# Altium PCB DCAC_V2c.PcbDoc (part 5 of 7)
Units mm, origin at the board's own origin, x right, y up, seen from the top; angles counter-clockwise.
Board outline 174.4 x 124.43 mm, 4 copper layers (Top Layer, TOP_RTN, BOTT_RTN, Bottom Layer), stack 1.506 mm thick; 694 components, 367 nets, 1780 pads, 720 vias.
Unrouted connection lines stored in the file: 177.
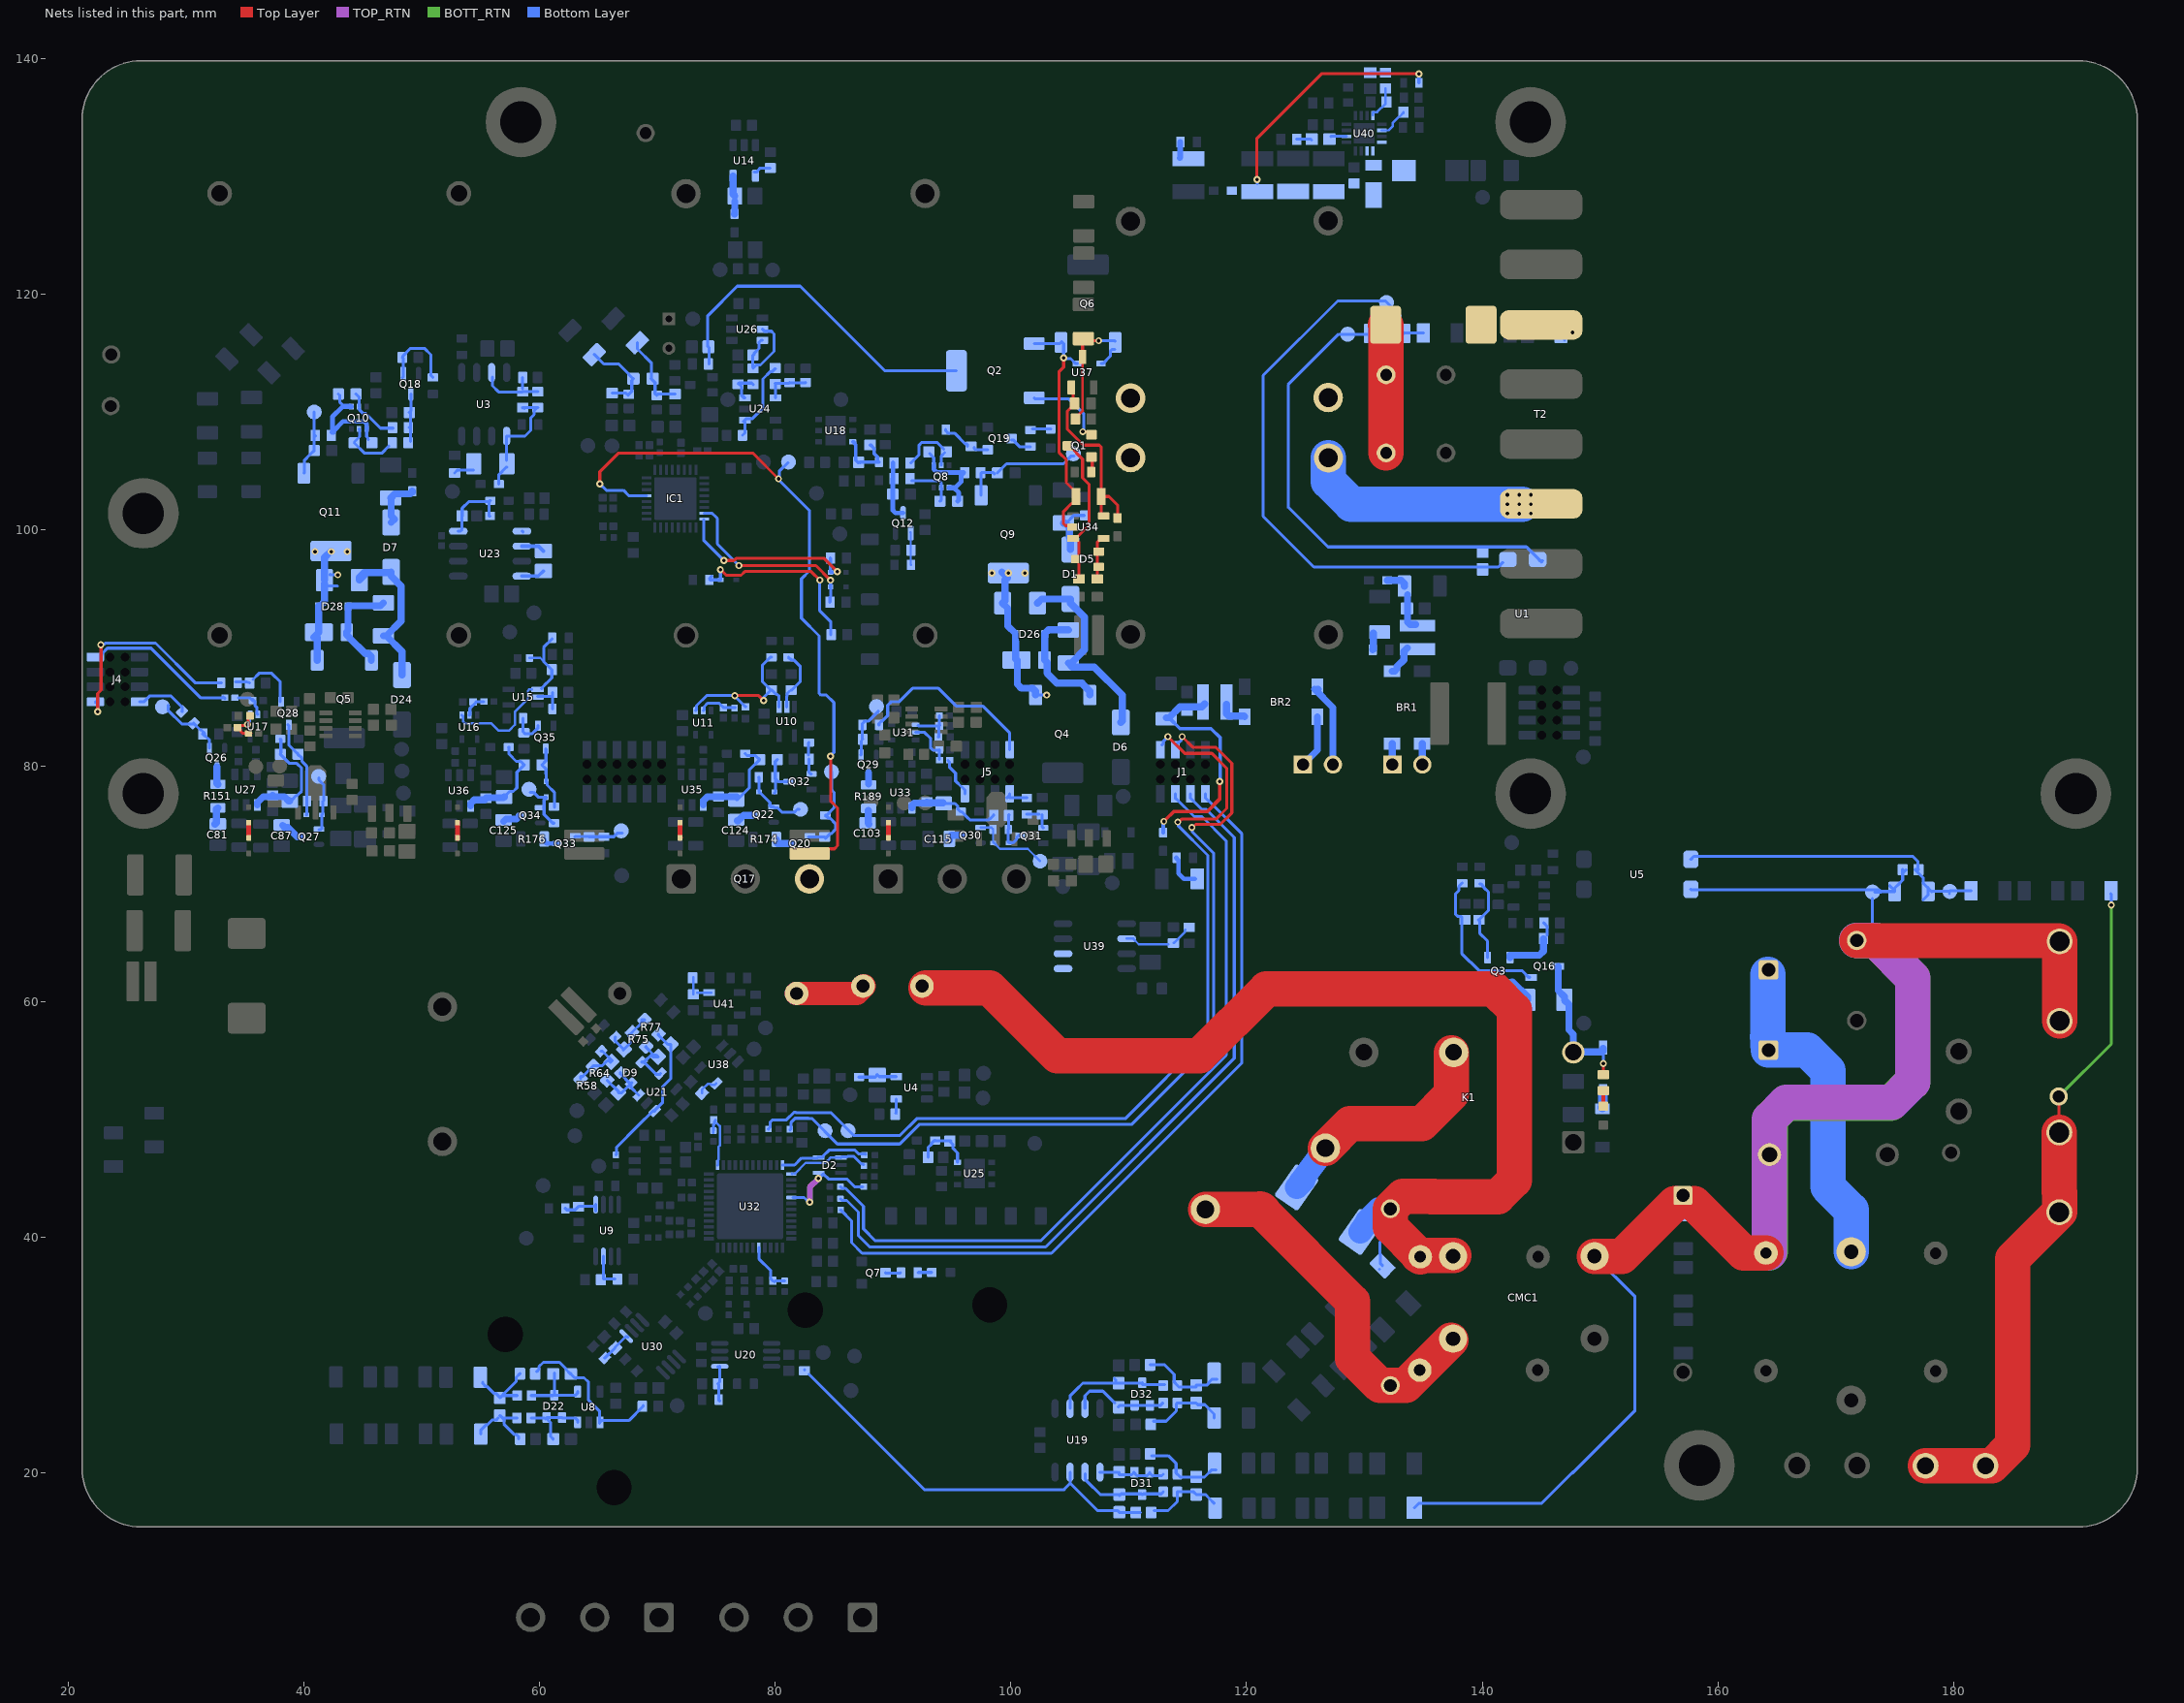
[diagram p7: the nets of this part, all layers, seen from the top]

## Via types
v1: diameter 0.6, hole 0.3, Top Layer to Bottom Layer, tented both sides, 679 vias
v2: diameter 0.6/0.6/0.6/0.6 (per signal layer), hole 0.3, Top Layer to Bottom Layer, tented both sides, 33 vias
v3: diameter 0.6, hole 0.3, Top Layer to Bottom Layer, 8 vias

## Nets (pads, with @x,y where several pads share a name; then routed paths per layer and width w, separated by ;. In a path a pad name is that pad's centre, name@x,y a point inside that pad or via, vN(x,y) a via of type N, cw(c..) or ccw(c..) an arc to the next point about the centre after c; other vN are vias at no path point) (continued)
LF_MOS_COMP3_INP: IC1.5 Q17.3 Rcsn2.2 TP58.1 | length 58.9
  Top Layer w0.254: v1(65.115,103.93) 65.115,104.95 66.708,106.543 78.082,106.543 v1(80.275,104.35) ; Rcsn2.2@84.575,72.95 85.026,72.95 85.285,73.209 85.285,76.43 84.7,77.015 v1(84.7,80.805)
  Bottom Layer w0.254: v1(65.115,103.93) 65.67,103.375 67.115,103.375 67.564,102.925 IC1.5@69.075,102.925 ; TP58.1@81.1,105.7 81.05,105.7 80.341,104.991 80.341,104.416 v1(80.275,104.35) 80.275,104.283 82.9,101.658 82.9,96.53 82.225,95.855 82.225,92.525 83.725,91.025 83.725,86.144 83.874,85.995 84.341,85.995 84.975,85.36 84.975,81.127 84.7,80.852 v1(84.7,80.805)
N_GRID: C17.1 C37.1 C88.2 CMC1.4 F2.1 F2.2 GMOV.2 R38.2 R39.1 R219.2 R265.2 TP67.1 U5.2 | length 183.7
  Top Layer w3: CMC1.4@149.525,38.375 151.875,38.375 C17.1@156.355,42.855 ; 157.97,42.845 162.165,38.65 C37.1@164.075,38.65 ; R38.2@171.8,65.155 F2.2@188.935,65.155 ; F2.1@188.995,58.335 F2.2@188.995,65.095
  TOP_RTN w3: C37.1@164.375,38.67 GMOV.2@164.375,46.995 164.375,50 165.795,51.42 174.768,51.42 176.525,53.177 176.525,61.985 173.335,65.175 R38.2@171.78,65.175
  BOTT_RTN w3: C37.1@164.335,38.655 164.447,38.767 164.447,50.072 165.723,51.348 170.276,51.348 170.284,51.34 174.63,51.34 176.525,53.235 176.525,61.985 173.335,65.175 R38.2@171.78,65.175
  Bottom Layer w0.254: R265.2@134.235,17.02 134.6,17.385 145.01,17.385 147.68,20.055 ; 147.655,19.975 152.955,25.275 152.955,34.945 CMC1.4@149.525,38.375 ; C17.1@157.025,43.525 157.025,42.05 R39.1@157.05,42.025 ; U5.2@157.7,69.515 157.741,69.474 173.689,69.474 173.834,69.33 R219.2@174.99,69.33 R219.2@174.99,69.397 ; R38.2@171.78,65.175 173.11,66.505 TP67.1@173.11,68.71 ; TP67.1@173.315,69.28 173.834,69.28 ; R219.2@174.567,69.82 R219.2@174.99,69.397 ; R219.2@174.99,69.615 174.995,69.615 175.408,70.028 175.408,70.033 175.67,70.295 C88.2@175.67,70.87 ; R219.2@175.44,70.028 175.413,70.028 174.99,69.605 R219.2@174.99,69.397 ; C88.2@175.67,71.18 C88.2@175.67,70.87 ; C88.2@175.975,71.175 C88.2@175.67,70.87
N_GRID_BF_RELAY: C16.1 C189.1 CMC1.1 D39.2 R33.1 R261.2 U39.1 U39.2 | length 98.4
  Top Layer w3: R33.1@92.775,61.15 98.175,61.15 103.925,55.4 116.025,55.4 121.675,61.05 140.97,61.05 142.728,59.293 142.728,44.823 141.33,43.425 135.64,43.425 ; C189.1@134.55,38.425 C189.1@134.64,38.425 ; C189.1@134.735,38.33 C189.1@134.64,38.425 ; 135.9,43.475 133.275,43.475 C16.1@132.2,42.4 132.2,40.865 C189.1@134.64,38.425 ; CMC1.1@137.575,38.425 C189.1@134.64,38.425
  Bottom Layer w0.254: R261.2@131.534,37.574 131.339,37.768 131.339,38.543 131.325,38.557 131.325,39.575 132.275,40.525 132.275,42.061 C16.1@132.076,42.26
  Bottom Layer w2: D39.2@129.653,40.432 130.012,40.974 D39.2@130.194,41.235 ; D39.2@130.225,41.375 131.25,42.4 C16.1@132.2,42.4
NCHP_SD_1: U23.1 | length 0.1
  Bottom Layer w0.254: U23.1@58.5,99.905 58.55,99.905 U23.1@58.605,99.85
NetBR1_1: BR1.1 L6.1 | length 2.6
  Bottom Layer w0.6: BR1.1@132.355,88.025 132.555,88.025 132.755,88.225 132.755,88.405 133.346,88.996 133.346,89.7 133.646,90 L6.1@133.65,90
NetBR1_2: BR1.2 PT_SEC1.1 | length 1.8
  Bottom Layer w0.6: BR1.2@132.355,81.875 132.365,81.865 132.365,80.185 PT_SEC1.1@132.45,80.1
NetBR1_3: BR1.3 PT_SEC1.2 | length 1.9
  Bottom Layer w0.6: PT_SEC1.2@134.875,80.025 134.905,80.055 134.905,81.865 BR1.3@134.895,81.875
NetBR2_1: BR2.1 L5.1 | length 2.4
  Bottom Layer w0.6: L5.1@118.3,85.194 118.3,84.425 118.5,84.225 119.8,84.225 BR2.1@119.841,84.184
NetBR2_2: BR2.2 PT_SEC2.1 | length 4.6
  Bottom Layer w0.6: PT_SEC2.1@124.785,80.1 125.26,80.575 126,81.315 BR2.2@126,84.155
NetBR2_3: BR2.3 PT_SEC2.2 | length 7.1
  Bottom Layer w0.6: BR2.3@125.775,86.495 127.325,84.945 PT_SEC2.2@127.325,80.1 ; BR2.3@126.02,86.495 BR2.3@126.075,86.495
NetC1_1: C1.1 C2.2 C3.1 C4.2 T2.11 | length 19.2
  Bottom Layer w3: C4.2@126.95,106.125 126.95,104.132 128.882,102.2 v1@143.4,102.2
  other v1: 142.125,101.4 143.124,101.395 144.125,101.4 143.124,102.195 142.125,102.2 144.125,102.2 142.125,103 143.124,102.995 144.125,103
NetC7_1: C7.1 R7.2 | length 3
  Bottom Layer w0.4: R7.2@114.025,72.175 114.225,71.975 114.225,70.859 114.684,70.4 C7.1@115.6,70.4
NetC8_2: C8.2 C13.2 FB8.1 L6.2 | length 4.8
  Bottom Layer w0.6: FB8.1@131.925,95.725 133.12,95.725 133.395,95.45 C8.2@133.395,95.25 ; C13.2@133.66,93.125 133.66,92.2 133.86,92 L6.2@134.36,92 ; C13.2@133.66,93.25 C8.2@133.66,94.525
NetC9_2: C9.2 Q3.1 R48.1 | length 7.4
  Bottom Layer w0.254: R48.1@139.775,69.975 139.875,69.975 140.148,69.702 140.148,69.652 140.52,69.28 140.52,67.72 C9.2@139.725,66.925 139.675,66.925 139.775,66.825 139.775,65.8 140.45,65.125 140.45,64.4 ; Q3.1@140.45,63.725 140.45,64.5
NetC11_2: C11.2 C162.2 FB1.1 L5.2 | length 20.8
  Top Layer w0.3: v1@112.925,75.375 112.927,75.373 113.073,75.373 113.825,76.125 116.675,76.125 117.707,77.157 v1(117.707,78.675)
  Bottom Layer w0.3: FB1.1@112.925,74.325 v1@112.925,75.3 ; C162.2@113.175,84.075 113.425,84.075 114.35,83.15 115.829,83.15 115.831,83.153 116.985,83.153 117.753,82.385 117.753,78.721 v1(117.707,78.675)
  Bottom Layer w0.6: C162.2@113.175,84.075 113.425,84.075 114.35,85 116.205,85 L5.2@116.45,85.245
  other v1: 112.975,75.275
NetC14_2: C14.2 R115.2 R149.1 U17.1 | length 3.6
  Top Layer w0.254: C14.2@34.525,83.3 34.525,83.315 34.643,83.433 35.059,83.433 35.116,83.49 35.21,83.49 35.286,83.566 35.286,84.186 R149.1@35.325,84.225 ; C14.2@34.6,83.1 ccw(c34.95,83.1) 34.95,82.75 R115.2@35.525,82.75
  Bottom Layer w0.254: v1(35.22,83.5) 35.22,83.593 35.377,83.751 35.377,84.277 U17.1@35.45,84.35
NetC15_2: C15.2 R156.2 R159.1 U31.1 | length 3.7
  Bottom Layer w0.254: U31.1@92.1,83.425 92.15,83.375 C15.2@93.9,83.375 ; R159.1@93.85,82.45 93.892,82.492 93.892,83.367 C15.2@93.9,83.375 ; R156.2@93.925,84.25 93.93,84.245 93.93,83.47 C15.2@93.975,83.425 ; C15.2@93.935,83.375 C15.2@93.9,83.375 ; C15.2@93.95,83.425 C15.2@93.9,83.375
NetC16_2: C16.2 C188.2 CMC1.2 L3.1 | length 31.8
  Top Layer w3: L3.1@116.504,42.353 121.162,42.353 ; 121.115,42.4 121.162,42.353 ; 121.425,42.175 121.247,42.353 121.162,42.353 ; CMC1.2@137.35,31.25 133.5,27.4 C16.2@132.2,27.4 131.315,27.4 128.985,29.73 128.985,34.53 121.162,42.353
NetC19_2: C19.2 R57.2 U9.5 | length 3.3
  Bottom Layer w0.254: R57.2@62.194,42.429 62.316,42.307 63.015,42.307 63.313,42.605 64.695,42.605 U9.5@64.763,42.672 ; U9.5@64.763,42.205 64.763,42.605 U9.5@64.763,42.755
NetC22_2: C22.2 R254.1 U41.3 | length 2.6
  Bottom Layer w0.203: R254.1@73.046,62.03 73.046,60.604 C22.2@73.05,60.6 ; C22.2@73.375,60.725 73.4,60.75 U41.3@74.375,60.75 U41.3@74.575,60.75
NetC23_1: C23.1 R21.1 R22.2 U3.7 | length 5.8
  Bottom Layer w0.254: U3.7@56.001,112.999 56.001,112.249 56.525,111.725 58.55,111.725 C23.1@58.575,111.75 R21.1@59.85,111.75 ; C23.1@58.55,112.023 R22.2@58.55,112.95
NetC23_2: C23.2 C25.2 FB3.2 R21.2 U3.1 | length 9.4
  Bottom Layer w0.254: FB3.2@56.55,103.9 56.55,104.7 57.2,105.35 C25.2@57.25,105.35 ; C25.2@57.205,105.93 U3.1@57.205,107.975 58.756,107.975 59.245,108.464 59.245,109.526 59.532,109.813 59.532,110.127 59.744,110.339 R21.2@59.75,110.339 ; C23.2@58.543,110.368 C23.2@58.575,110.4 ; C23.2@58.675,110.4 R21.2@59.85,110.4 ; C23.2@58.7,110.3 C23.2@58.725,110.3
NetC25_1: C25.1 R133.2 | length 1.7
  Bottom Layer w0.254: R133.2@52.8,104.85 53.05,105.1 C25.1@54.375,105.1
NetC26_2: C26.2 D1.A FB16.2 | length 4.4
  Bottom Layer w0.254: C26.2@104.7,100.6 105.35,101.25 FB16.2@106.2,101.25
  Bottom Layer w0.6: C26.2@104.45,100.6 104.624,100.6 104.974,100.25 104.974,99.401 105.061,99.314 105.061,98.361 D1.A@105.05,98.35
NetC27_1: C27.1 D25.2 D26.A Q4.3 | length 10.2
  Bottom Layer w0.6: C27.1@104.875,91.525 104.85,91.55 103.2,91.55 102.875,91.225 102.875,89 D25.2@102.85,88.975 103.075,88.75 103.075,87.85 103.9,87.025 106.049,87.025 106.049,86.976 106.7,86.325 Q4.3@106.7,86
NetC27_2: C27.2 D1.K D6.A R24.2 | length 17.7
  Bottom Layer w0.6: R24.2@102.25,93.8 102.6,94.15 D1.K@105.05,94.15 105.05,93.8 106.253,92.597 106.253,89.853 105.125,88.725 C27.2@104.875,88.725 105.225,88.375 107.075,88.375 109.45,86 109.45,83.8 D6.A@109.325,83.675
NetC32_1: C32.1 D9.1 D9.2 R64.2 U21.3 | length 5.7
  Bottom Layer w0.254: R64.2@65.737,53.312 66.706,52.343 C32.1@66.706,52.265 ; C32.1@66.692,52.251 66.978,52.251 67.665,52.938 D9.1@67.665,53.045 ; D9.2@66.853,53.964 66.853,53.858 66.909,53.801 D9.1@67.665,53.045 ; D9.1@67.772,53.045 D9.1@67.753,53.045 ; U21.3@68.424,52.039 67.753,52.71 67.753,52.938 D9.1@67.753,53.045 ; D9.1@67.665,53.045 D9.1@67.753,53.045 ; D9.1@67.753,53.045 67.823,53.116 D9.1@67.753,53.045
NetC33_1: C33.1 R33.2 | length 6
  Top Layer w2: C33.1@81.815,60.675 86.9,60.675 R33.2@87.525,61.3
NetC36_1: C36.1 R73.2 R75.1 R77.1 | length 5.1
  Bottom Layer w0.254: R73.2@66.427,56.971 66.416,56.96 66.416,56.645 C36.1@67.059,56.001 ; C36.1@67.094,55.861 67.147,55.914 67.664,56.431 67.664,56.944 67.548,57.06 67.849,57.361 R75.1@67.849,57.376 68.678,58.205 R77.1@68.678,58.23 ; R77.1@68.678,58.23 68.678,58.426 R77.1@68.899,58.426 68.874,58.426 R77.1@68.678,58.23
NetC36_2: C36.2 R58.1 R63.2 R64.1 | length 4.9
  Bottom Layer w0.254: R63.2@65.234,55.776 65.34,55.776 C36.2@66.174,54.942 ; C36.2@66.047,54.814 65.901,54.959 65.735,54.959 65.325,54.549 64.571,54.549 R64.1@64.535,54.514 64.535,54.496 63.67,53.631 R58.1@63.475,53.631 ; R58.1@63.475,53.631 R58.1@63.475,53.418 R58.1@63.475,53.631
NetC39_1: C39.1 D9.3 R75.2 U21.4 | length 5.6
  Bottom Layer w0.254: D9.3@68.656,54.848 D9.3@68.864,54.848 ; R75.2@69.051,56.174 69.006,56.129 C39.1@69.691,55.444 ; C39.1@69.614,55.295 69.462,55.446 68.989,54.972 D9.3@68.864,54.848 ; U21.4@70.263,53.878 70.171,53.786 69.927,53.786 D9.3@68.864,54.848 ; C39.1@69.691,55.444 C39.1@69.92,55.444 ; C39.1@69.691,55.444 C39.1@69.92,55.444 ; C39.1@69.691,55.444 69.691,55.297 69.689,55.295 C39.1@70.07,55.295 ; C39.1@69.92,55.444 C39.1@70.07,55.295 ; C39.1@69.92,55.444 C39.1@70.07,55.295
NetC39_2: C39.2 R72.1 R77.2 U21.1 | length 12.9
  Bottom Layer w0.254: R72.1@66.475,46.975 66.545,47.045 66.545,47.631 68.327,49.413 69.609,50.696 U21.1@69.768,50.696 69.768,50.741 70.425,51.398 70.425,52.732 71.13,53.437 C39.2@71.13,56.355 70.88,56.355 70.056,57.179 R77.2@70.101,57.224
NetC42_2: C42.2 D7.A FB17.2 | length 4.4
  Bottom Layer w0.6: D7.A@47.4,100.65 47.675,100.925 47.4,101.2 47.4,102.7 C42.2@47.375,102.725 47.725,103.075 49.05,103.075 49.2,103.225 FB17.2@49.2,103.3
NetC43_1: C43.1 D27.2 D28.A Q5.3 | length 8.6
  Bottom Layer w0.6: D27.2@43.65,91.325 43.65,91.1 43.875,90.875 43.875,90.85 45.2,89.525 45.475,89.525 45.725,89.275 Q5.3@45.725,88.95 ; D27.2@43.75,91.475 43.75,93.575 46.5,93.575 C43.1@46.75,93.825
NetC43_2: C43.2 D7.K D24.A R30.2 | length 15.6
  Bottom Layer w0.6: C43.2@46.75,91.025 C43.2@47,91.025 ; D24.A@48.325,87.7 48.325,89.7 C43.2@47,91.025 ; R30.2@44.7,95.75 R30.2@45.125,96.175 ; R30.2@44.7,95.75 R30.2@45.125,96.175 ; R30.2@44.7,95.75 R30.2@45.125,96.175 ; R30.2@44.7,95.75 44.7,95.975 R30.2@45.125,96.4 ; R30.2@45.125,96.175 R30.2@45.125,96.4 ; R30.2@45.125,96.4 47.35,96.4 D7.K@47.4,96.45 47.4,96.1 48.25,95.25 48.25,92.275 C43.2@47,91.025
NetC50_1: C50.1 D31.1 D31.2 R93.2 U19.5 | length 6.5
  Bottom Layer w0.254: U19.5@107.555,20.05 C50.1@109.05,20.05 ; D31.1@110.475,19.973 110.698,19.75 111.552,19.75 D31.2@111.775,19.973 ; D31.1@110.475,20.05 110.475,20.048 110.252,19.825 C50.1@109.175,19.825 ; D31.2@111.775,20.05 D31.2@111.775,19.973 ; C50.1@109.175,19.825 C50.1@109.175,20.05 C50.1@109.175,19.825 ; D31.2@111.775,19.973 111.998,19.75 R93.2@112.8,19.75 ; R93.2@112.8,19.75 R93.2@112.925,19.875 ; R93.2@112.8,19.75 R93.2@112.925,19.875 ; R93.2@112.8,19.75 R93.2@112.925,19.875
NetC51_1: C51.1 R97.1 R98.1 R102.1 | length 6.6
  Bottom Layer w0.254: R102.1@112.169,16.778 113.338,16.778 114.118,17.558 114.118,18.368 R98.1@114.125,18.375 115.5,18.375 C51.1@115.725,18.15 116.5,18.15 116.877,17.773 R97.1@117.225,17.425
NetC51_2: C51.2 R89.1 R92.1 R93.1 | length 7
  Bottom Layer w0.254: R89.1@111.926,21.449 113.351,21.449 114.018,20.782 114.018,19.982 114.375,19.625 115.725,19.625 116.425,19.625 117.05,20.25 R92.1@117.4,20.25
NetC52_1: C52.1 D31.3 R98.2 U19.6 | length 8.1
  Bottom Layer w0.254: U19.6@106.3,19.9 106.3,19.441 106.458,19.284 106.458,19.267 107.575,18.15 C52.1@109.2,18.15 ; C52.1@109.2,18.048 109.352,18.2 111.075,18.2 111.15,18.125 111.225,18.2 R98.2@112.75,18.2 ; R98.2@112.75,18.2 R98.2@112.925,18.375 R98.2@112.75,18.2
NetC52_2: C52.2 R102.2 R110.2 U19.7 | length 34.3
  Bottom Layer w0.254: R110.2@82.871,28.344 92.665,18.55 104.52,18.55 ; 104.52,18.6 105.035,19.115 ; U19.7@105.015,20.05 105.035,20.03 105.035,19.115 ; C52.2@109.2,16.625 R102.2@110.981,16.625 ; C52.2@109.2,16.65 109.075,16.775 107.375,16.775 105.035,19.115
NetC56_2: C56.2 R99.2 U10.2 | length 5.1
  Bottom Layer w0.254: U10.2@80.975,85 80.975,85.906 81.002,85.933 81.002,86.127 C56.2@81.175,86.3 ; R99.2@81.125,89.2 81.348,88.977 81.577,88.977 82.13,88.424 82.13,87.155 81.4,86.425 C56.2@81.35,86.425
NetC57_2: C57.2 R88.2 R252.1 U10.1 U11.1 | length 14.5
  Top Layer w0.254: v1(76.57,85.952) 78.598,85.952 v1(79.025,85.525)
  Bottom Layer w0.254: U11.1@73.25,84.675 73.323,84.748 73.323,85.098 74.177,85.952 v1(76.57,85.952) 76.57,85.905 77.45,85.025 R252.1@77.5,85.025 ; v1@79.05,85.475 79.05,85.85 C57.2@79.625,86.425 ; R88.2@79.675,89.2 79.575,89.2 78.895,88.52 78.895,87.155 C57.2@79.625,86.425 ; U10.1@80.325,85 80.325,85.906 80.176,86.055 80.095,86.055 79.725,86.425 C57.2@79.675,86.425 C57.2@79.625,86.425
NetC74_1: C74.1 R170.1 R191.1 R192.1 | length 6.9
  Bottom Layer w0.254: R170.1@68.3,115.9 68.3,115.375 69.5,114.175 C74.1@69.5,112.85 ; C74.1@69.475,112.85 69.8,112.525 R191.1@69.8,111.575 ; R191.1@70.025,111.55 70.025,111.5 R191.1@69.95,111.425 ; R191.1@70.133,111.55 R192.1@71.5,111.55 ; R191.1@69.8,111.575 R191.1@69.95,111.425 ; R191.1@69.8,111.575 R191.1@69.95,111.425
NetC74_2: C74.2 R126.1 R131.1 R132.1 | length 7.1
  Bottom Layer w0.254: R131.1@64.65,114.9 65.45,114.1 66.725,114.1 67.562,113.263 67.562,113.223 67.935,112.85 67.975,112.85 67.825,112.7 67.825,111.775 R132.1@67.575,111.525 ; R126.1@66.15,111.625 67.325,111.625 R132.1@67.525,111.425
NetC78_2: C78.2 C122.2 FB6.1 R150.1 U27.4 | length 10.1
  Bottom Layer w0.254: R150.1@38,80.975 38.78,80.195 39.401,80.195 39.805,79.791 39.805,77.855 39.448,77.498 39.373,77.498 38.95,77.075 C78.2@38.95,77 ; FB6.1@38,82.275 38.05,82.225 R150.1@38.05,81.125
  Bottom Layer w0.6: U27.4@36.05,76.675 36.05,76.875 36.55,77.375 C122.2@37.35,77.375 ; C122.2@37.35,77.5 C122.2@37.35,77.375 ; C78.2@38.8,77.025 38.7,77.025 38.35,77.375 C122.2@37.35,77.375
NetC79_2: C79.2 R256.2 U39.6 | length 5.3
  Bottom Layer w0.203: U39.6@109.82,65.32 110.38,65.32 110.85,64.85 C79.2@113.364,64.85 ; C79.2@113.79,64.95 113.84,64.95 114.752,65.862 114.752,66.027 R256.2@114.8,66.075
NetC80_2: C80.2 R144.2 U17.2 | length 2.8
  Bottom Layer w0.254: R144.2@34.435,85.775 35.39,85.775 35.64,85.525 C80.2@35.66,85.525 ; C80.2@35.66,85.625 35.863,85.422 35.863,85.087 36.027,84.923 36.027,84.423 U17.2@36.1,84.35
NetC81_2: C81.2 R151.2 | length 1.5
  Bottom Layer w0.6: C81.2@32.45,75.05 32.575,75.175 32.575,76.325 32.675,76.425 R151.2@32.7,76.425
NetC86_1: C86.1 D3.2 D4.1 F3.2 R218.1 TP66.1 U1.2 | length 57.9
  Top Layer w3: F3.2@131.8,117.425 131.835,117.39 D4.1@131.835,113.175 D3.2@131.835,106.55
  Bottom Layer w0.254: R218.1@130.5,116.625 127.807,116.625 123.523,112.341 123.523,101.957 123.55,101.93 126.905,98.575 143.75,98.575 U1.2@144.912,97.413 ; R218.1@130.5,116.7 130.575,116.625 130.799,116.401 130.873,116.327 130.873,115.985 ccw(c132.91,115.985) 131.745,114.314 131.761,114.299 ; 131.761,114.298 131.835,114.224 D4.1@131.835,113.175 ; U1.2@144.85,97.413 U1.2@144.912,97.413 ; U1.2@144.912,97.413 145.025,97.3 145.137,97.413 U1.2@144.912,97.413
NetC86_2: C86.2 R12.1 R218.2 TP64.1 U1.1 | length 52.3
  Bottom Layer w0.254: R12.1@135,116.725 133.375,116.725 R218.2@133.35,116.7 133.037,117.013 133.037,118.199 131.784,119.452 127.729,119.452 121.4,113.123 121.4,101.175 125.705,96.87 141.36,96.87 U1.1@141.74,97.25
NetC87_2: C87.2 Q27.3 | length 1.9
  Bottom Layer w0.6: C87.2@38.2,74.95 38.385,74.765 38.635,74.765 39.425,73.975 Q27.3@39.674,73.975
NetC88_1: C88.1 R20.1 R219.1 TP69.1 U5.1 | length 27.6
  Bottom Layer w0.254: U5.1@157.7,72.055 157.95,72.305 176.545,72.305 176.963,71.887 176.963,71.237 C88.1@177.02,71.18 176.72,71.18 177.417,70.483 177.417,70.028 177.75,69.695 177.84,69.695 R219.1@177.84,69.33 177.84,69.055 R219.1@177.417,68.632 ; R219.1@177.865,69.58 178.135,69.31 178.135,69.3 178.175,69.34 TP69.1@179.675,69.34 179.733,69.398 R20.1@181.486,69.398 ; TP69.1@179.639,69.146 TP69.1@179.649,69.146
NetC90_1: C90.1 U23.4 | length 2
  Bottom Layer w0.3: U23.4@58.5,96.095 59.895,96.095 C90.1@60.325,96.525
NetC90_2: C90.2 U23.2 | length 2
  Bottom Layer w0.3: U23.2@58.5,98.635 59.915,98.635 C90.2@60.325,98.225
NetC96_2: C96.2 R53.2 U20.5 | length 3.2
  Bottom Layer w0.254: U20.5@75.121,28.976 U20.5@75.273,28.976 ; R53.2@75.275,26.1 75.2,26.175 R53.2@75.2,26.2 75.2,27.475 75.125,27.55 75.29,27.715 75.29,28.959 U20.5@75.273,28.976 ; U20.5@75.29,29.026 75.273,29.009 U20.5@75.273,28.976
NetC97_2: C97.2 C141.2 FB9.1 R188.2 U33.4 | length 8.2
  Bottom Layer w0.254: C97.2@94.25,76.85 C97.2@94.3,76.8 95.25,76.8 95.502,76.548 95.502,76.323 95.725,76.1 95.825,76.1 96.295,75.63 96.301,75.63 96.53,75.4 98.1,75.4 98.227,75.527 98.277,75.527 98.525,75.775 R188.2@98.525,75.825
  Bottom Layer w0.6: U33.4@91.6,76.425 91.6,76.625 91.814,76.839 92.789,76.839 92.875,76.925 92.938,76.863 94.238,76.863 C97.2@94.25,76.85
NetC99_2: C99.2 R59.1 U9.3 | length 2.9
  Bottom Layer w0.254: U9.3@65.413,38.355 65.413,36.43 R59.1@66.413,36.43
NetC100_2: C100.2 FB2.1 U14.5 | length 3.1
  Bottom Layer w0.3: U14.5@76.425,130.075 U14.5@76.575,129.925
  Bottom Layer w0.6: U14.5@76.425,130.05 76.425,128.5 C100.2@76.575,128.35 ; FB2.1@76.55,126.825 76.562,126.838 C100.2@76.562,127.925
NetC101_2: C101.2 FB13.1 U4.5 | length 3.4
  Bottom Layer w0.254: FB13.1@87.11,53.575 88.485,53.575 C101.2@88.66,53.75 ; C101.2@88.607,53.75 88.648,53.792 88.823,53.617 U4.5@90.273,53.617
NetC102_2: C102.2 R172.2 U31.2 | length 3.8
  Bottom Layer w0.254: U31.2@91.925,82.825 92.675,82.825 93.2,82.3 93.2,81.5 93.375,81.325 93.825,81.325 C102.2@93.85,81.3 ; R172.2@93.91,80.55 93.91,81.325 C102.2@93.935,81.35
NetC103_2: C103.2 R189.2 | length 1.2
  Bottom Layer w0.6: R189.2@87.925,76.225 87.888,76.188 87.888,75.112 C103.2@87.95,75.05
NetC106_2: C106.2 FB10.1 FB18.1 U23.8 | length 6.3
  Bottom Layer w0.254: U23.8@53.1,99.905 53.265,99.905 53.345,99.985 53.425,100.065 C106.2@53.425,101.25 ; C106.2@53.425,101.2 53.432,101.207 53.432,101.857 54,102.425 55.7,102.425 FB10.1@55.775,102.5 ; FB18.1@55.8,101.2 55.75,101.2 55.725,101.175 55.725,102.4 FB10.1@55.825,102.5
NetC110_2: C110.2 FB11.1 R222.2 U18.3 | length 5.4
  Bottom Layer w0.3: U18.3@86.575,107.5 86.65,107.5 86.725,107.425 86.725,107.35 86.825,107.25 86.825,105.925 C110.2@87.025,105.725 ; C110.2@87.2,105.75 87.225,105.775 FB11.1@88.8,105.775 88.666,105.909 88.666,106.219 88.4,106.485 88.4,106.925 88.1,107.225 R222.2@88.05,107.225
NetC113_2: C113.2 C137.2 FB4.1 R143.1 U35.4 | length 9
  Bottom Layer w0.254: C113.2@76.7,77.125 76.8,77.125 77.8,78.125 77.8,79.65 R143.1@78.675,80.525 78.327,80.873 77.602,80.873 FB4.1@77.45,81.025
  Bottom Layer w0.6: U35.4@73.9,76.675 73.9,77.024 74.251,77.376 C137.2@75.174,77.376 ; C137.2@75.175,77.375 C113.2@76.7,77.375
NetC115_2: C115.2 Q30.3 | length 1.3
  Bottom Layer w0.6: C115.2@94.775,73.7 94.775,73.9 94.975,74.1 Q30.3@95.824,74.1
NetC117_2: C117.2 C123.2 FB14.1 R175.1 U36.4 | length 9.2
  Bottom Layer w0.254: C117.2@57,77.35 57.473,77.823 57.773,77.823 58.075,78.125 58.075,79.45 R175.1@58.7,80.075 58.397,80.378 58.022,80.378 57.407,80.993 57.407,81.543 FB14.1@57.375,81.575
  Bottom Layer w0.6: U36.4@54.15,76.6 54.15,76.8 54.45,77.1 55.325,77.1 C123.2@55.45,77.225 ; C123.2@55.425,77.225 55.488,77.288 56.937,77.288 C117.2@57,77.35
NetC118_2: C118.2 R16.2 U11.2 | length 3.3
  Bottom Layer w0.254: U11.2@73.9,84.675 73.973,84.748 73.973,85.025 74.253,85.305 75.235,85.305 75.397,85.143 75.417,85.143 75.6,84.96 C118.2@75.6,84.94 R16.2@76.601,84.94